# Altium PCB CPU_CARD.pcbdoc (part 4 of 10) (continued)
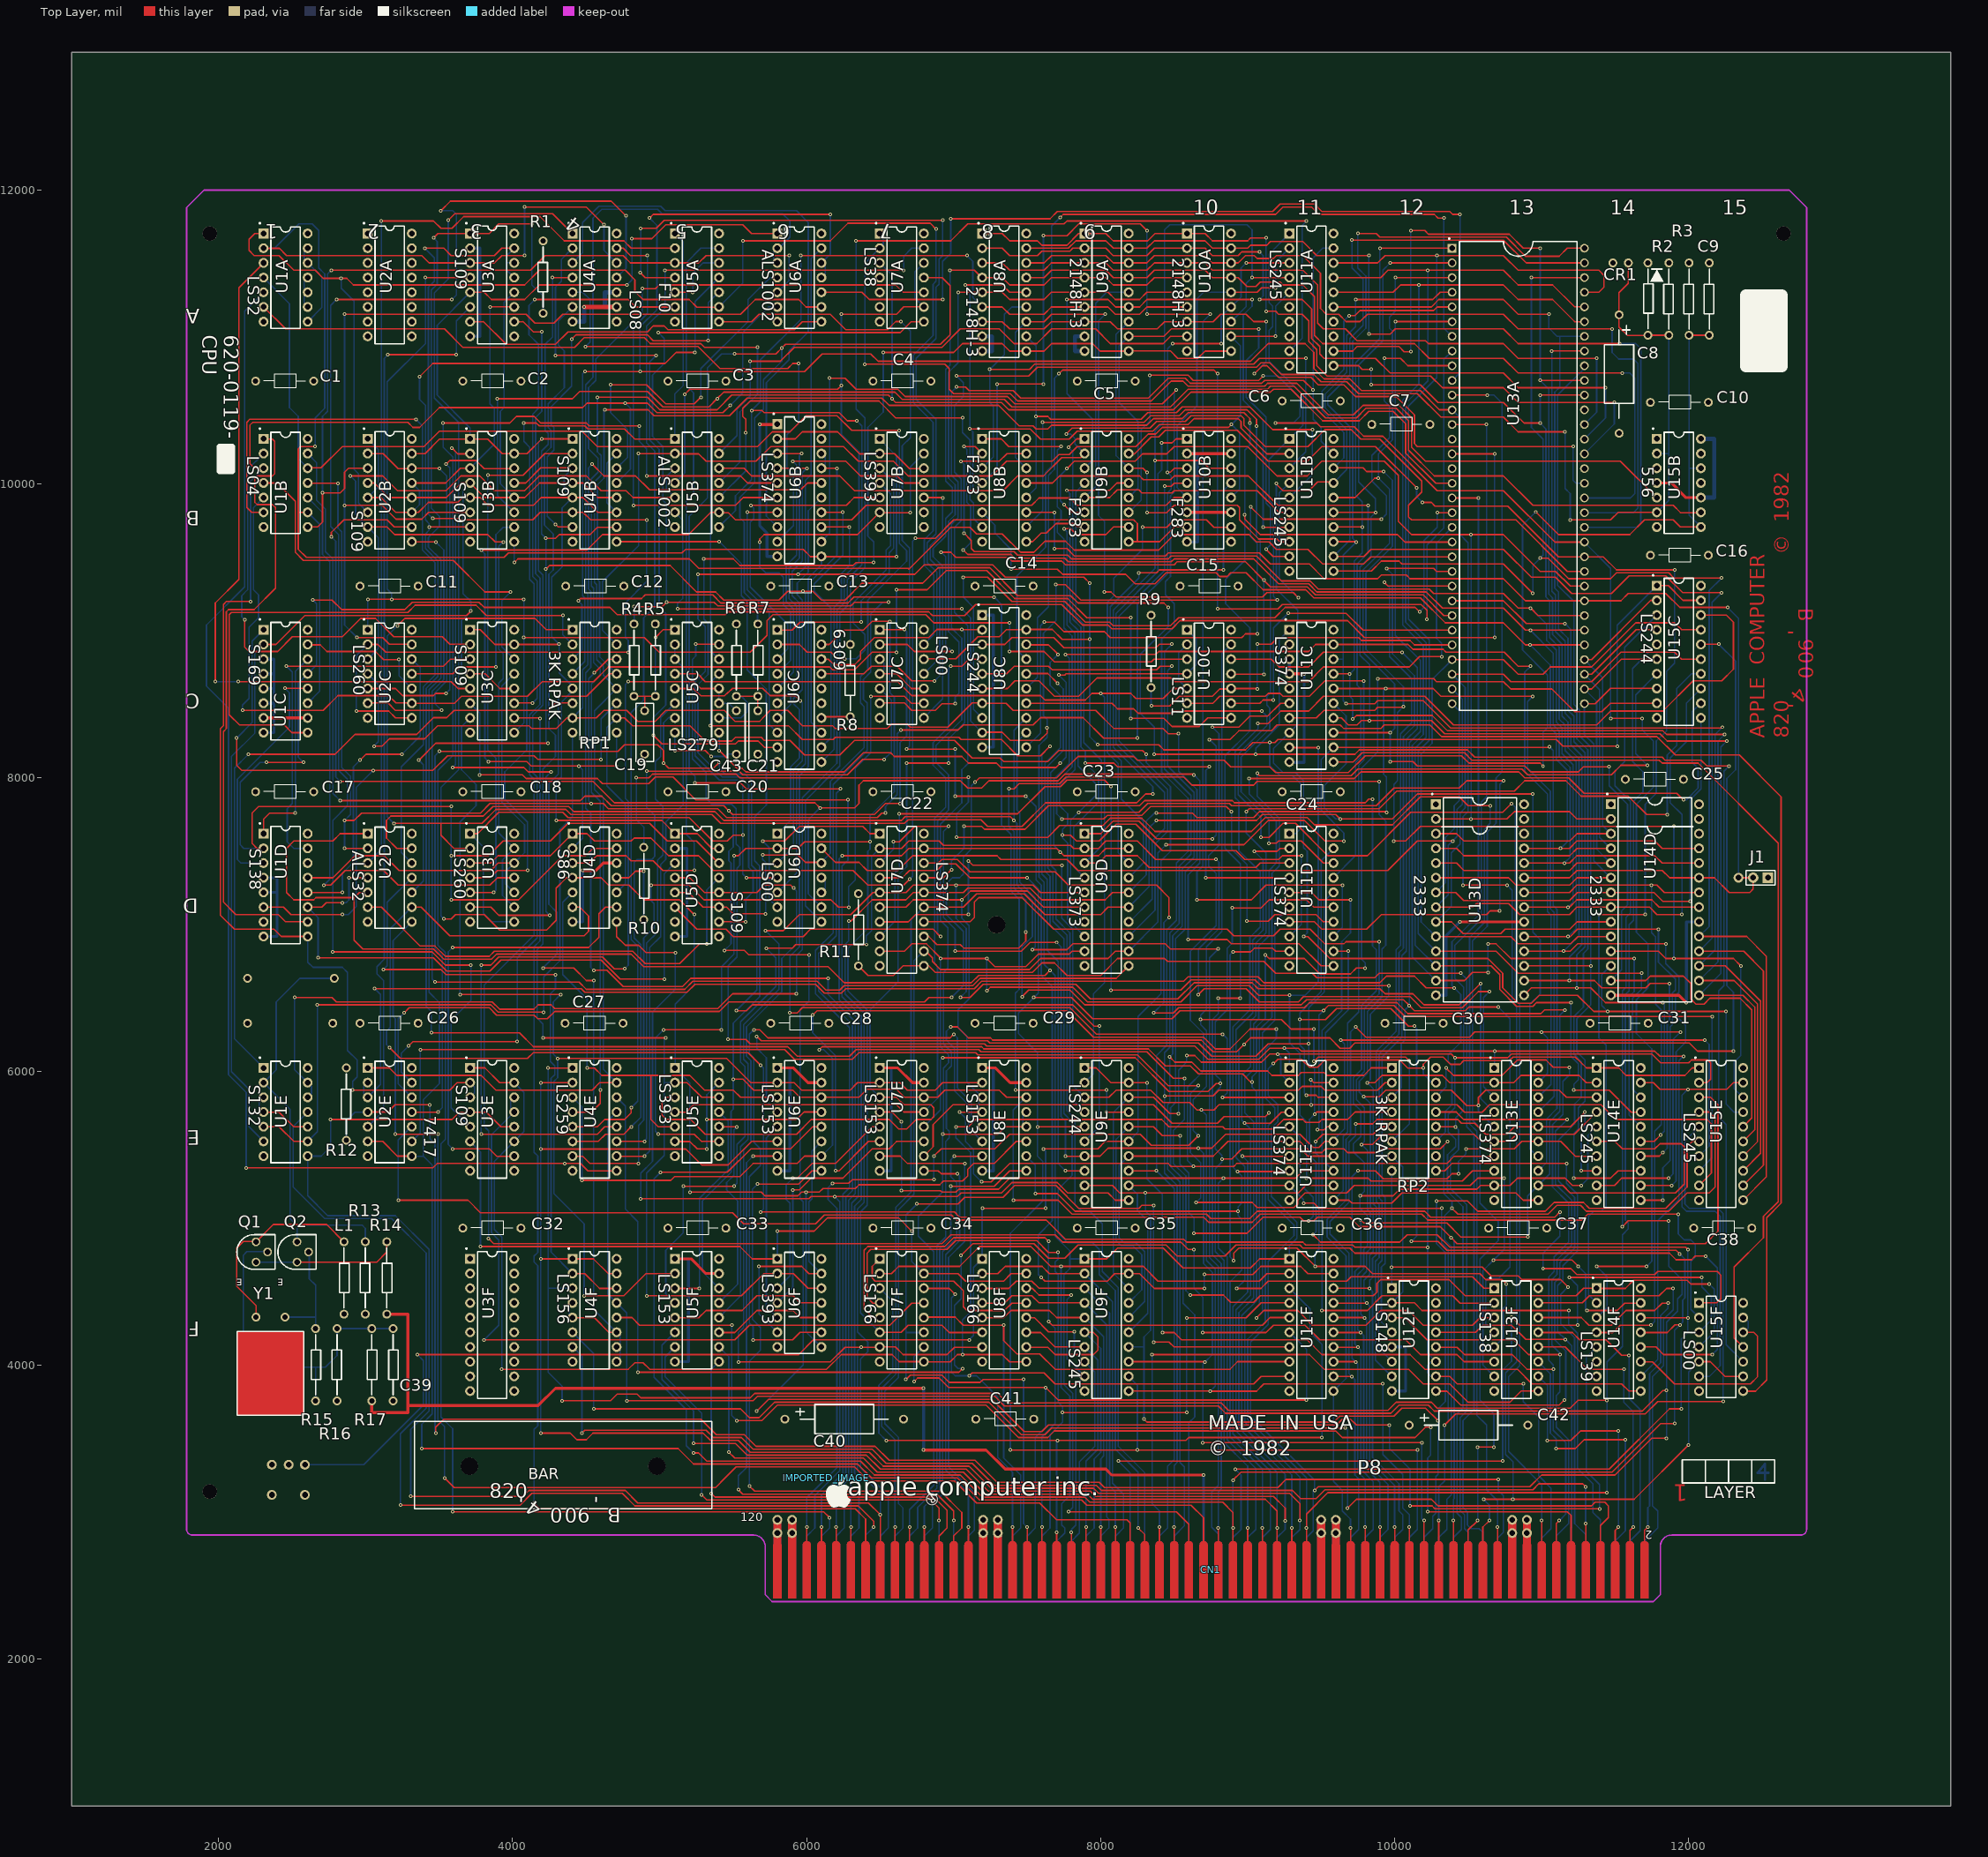
[diagram p0: Top Layer view]
## Footprints (in the part's own frame and the unit in brackets; to place one, negate y for a bottom-side part, rotate by r counter-clockwise, add the part's x,y. Pads: shape width x height; smd on the part's side, far side on the other; paste and mask are expansions set on the pad) (continued)
  Bottom Layer region: 67.36,4.952 67.322,4.953 67.322,4.953 67.284,4.952 67.284,4.952 67.247,4.949 67.247,4.949 67.209,4.944 67.209,4.944 67.172,4.937 67.172,4.937 67.135,4.927 67.135,4.927 67.099,4.916 67.099,4.916 67.063,4.903 67.063,4.903 67.028,4.888 67.028,4.888 66.994,4.871 66.994,4.871 66.962,4.853 66.962,4.853 66.93,4.832 66.93,4.832 66.899,4.81 66.899,4.81 66.869,4.786 66.869,4.786 66.841,4.761 66.841,4.761 66.814,4.734 66.814,4.734 66.789,4.706 66.789,4.706 66.765,4.677 66.765,4.677 66.743,4.646 66.743,4.646 66.722,4.614 66.722,4.614 66.704,4.581 66.704,4.581 66.687,4.547 66.687,4.547 66.672,4.512 66.672,4.512 66.659,4.477 66.659,4.477 66.648,4.44 66.648,4.44 66.639,4.403 66.639,4.403 66.632,4.366 66.632,4.366 66.627,4.329 66.627,4.329 66.623,4.291 66.623,4.291 66.622,4.253 66.622,4.253 66.623,-4.953 66.623,-4.953 68.022,-4.953 68.022,-4.953 68.022,4.253 68.022,4.253 68.021,4.291 68.021,4.291 68.018,4.329 68.018,4.329 68.013,4.366 68.013,4.366 68.006,4.403 68.006,4.403 67.997,4.44 67.997,4.44 67.986,4.477 67.986,4.477 67.973,4.512 67.973,4.512 67.958,4.547 67.958,4.547 67.941,4.581 67.941,4.581 67.922,4.614 67.922,4.614 67.902,4.646 67.902,4.646 67.88,4.677 67.88,4.677 67.856,4.706 67.856,4.706 67.831,4.734 67.831,4.734 67.804,4.761 67.804,4.761 67.775,4.786 67.775,4.786 67.746,4.81 67.746,4.81 67.715,4.832 67.715,4.832 67.683,4.853 67.683,4.853 67.65,4.871 67.65,4.871 67.616,4.888 67.616,4.888 67.582,4.903 67.582,4.903 67.546,4.916 67.546,4.916 67.51,4.927 67.51,4.927 67.473,4.937 67.473,4.937 67.436,4.944 67.436,4.944 67.398,4.949 67.398,4.949
  Bottom Layer region: 6.393,4.952 6.356,4.953 6.356,4.953 6.318,4.952 6.318,4.952 6.28,4.949 6.28,4.949 6.242,4.944 6.242,4.944 6.205,4.937 6.205,4.937 6.168,4.927 6.168,4.927 6.132,4.916 6.132,4.916 6.096,4.903 6.096,4.903 6.062,4.888 6.062,4.888 6.028,4.872 6.028,4.872 5.995,4.853 5.995,4.853 5.963,4.832 5.963,4.832 5.932,4.81 5.932,4.81 5.902,4.787 5.902,4.787 5.874,4.761 5.874,4.761 5.847,4.734 5.847,4.734 5.822,4.706 5.822,4.706 5.798,4.677 5.798,4.677 5.776,4.646 5.776,4.646 5.756,4.614 5.756,4.614 5.737,4.581 5.737,4.581 5.72,4.547 5.72,4.547 5.705,4.512 5.705,4.512 5.692,4.477 5.692,4.477 5.681,4.44 5.681,4.44 5.672,4.404 5.672,4.404 5.665,4.366 5.665,4.366 5.66,4.329 5.66,4.329 5.657,4.291 5.657,4.291 5.656,4.253 5.656,4.253 5.656,-4.953 5.656,-4.953 7.056,-4.953 7.056,-4.953 7.056,4.253 7.056,4.253 7.054,4.291 7.054,4.291 7.051,4.329 7.051,4.329 7.046,4.366 7.046,4.366 7.039,4.404 7.039,4.404 7.03,4.44 7.03,4.44 7.019,4.477 7.019,4.477 7.006,4.512 7.006,4.512 6.991,4.547 6.991,4.547 6.974,4.581 6.974,4.581 6.955,4.614 6.955,4.614 6.935,4.646 6.935,4.646 6.913,4.677 6.913,4.677 6.889,4.706 6.889,4.706 6.864,4.734 6.864,4.734 6.837,4.761 6.837,4.761 6.809,4.787 6.809,4.787 6.779,4.81 6.779,4.81 6.748,4.832 6.748,4.832 6.716,4.853 6.716,4.853 6.683,4.872 6.683,4.872 6.65,4.888 6.65,4.888 6.615,4.903 6.615,4.903 6.579,4.916 6.579,4.916 6.543,4.927 6.543,4.927 6.506,4.937 6.506,4.937 6.469,4.944 6.469,4.944 6.431,4.949 6.431,4.949
  Bottom Layer region: 8.934,4.952 8.896,4.953 8.896,4.953 8.858,4.952 8.858,4.952 8.82,4.949 8.82,4.949 8.783,4.944 8.783,4.944 8.745,4.937 8.745,4.937 8.709,4.927 8.709,4.927 8.672,4.916 8.672,4.916 8.637,4.903 8.637,4.903 8.602,4.888 8.602,4.888 8.568,4.871 8.568,4.871 8.535,4.853 8.535,4.853 8.503,4.832 8.503,4.832 8.472,4.81 8.472,4.81 8.443,4.786 8.443,4.786 8.415,4.761 8.415,4.761 8.388,4.734 8.388,4.734 8.362,4.706 8.362,4.706 8.339,4.677 8.339,4.677 8.316,4.646 8.316,4.646 8.296,4.614 8.296,4.614 8.277,4.581 8.277,4.581 8.261,4.547 8.261,4.547 8.246,4.512 8.246,4.512 8.232,4.477 8.232,4.477 8.221,4.44 8.221,4.44 8.212,4.403 8.212,4.403 8.205,4.366 8.205,4.366 8.2,4.329 8.2,4.329 8.197,4.291 8.197,4.291 8.196,4.253 8.196,4.253 8.196,-4.953 8.196,-4.953 9.596,-4.953 9.596,-4.953 9.596,4.253 9.596,4.253 9.595,4.291 9.595,4.291 9.592,4.329 9.592,4.329 9.587,4.366 9.587,4.366 9.58,4.403 9.58,4.403 9.57,4.44 9.57,4.44 9.559,4.477 9.559,4.477 9.546,4.512 9.546,4.512 9.531,4.547 9.531,4.547 9.514,4.581 9.514,4.581 9.496,4.614 9.496,4.614 9.475,4.646 9.475,4.646 9.453,4.677 9.453,4.677 9.429,4.706 9.429,4.706 9.404,4.734 9.404,4.734 9.377,4.761 9.377,4.761 9.349,4.786 9.349,4.786 9.32,4.81 9.32,4.81 9.289,4.832 9.289,4.832 9.257,4.853 9.257,4.853 9.224,4.871 9.224,4.871 9.19,4.888 9.19,4.888 9.155,4.903 9.155,4.903 9.119,4.916 9.119,4.916 9.083,4.927 9.083,4.927 9.046,4.937 9.046,4.937 9.009,4.944 9.009,4.944 8.972,4.949 8.972,4.949
  Bottom Layer region: 14.014,4.952 13.976,4.953 13.976,4.953 13.939,4.952 13.939,4.952 13.901,4.949 13.901,4.949 13.863,4.944 13.863,4.944 13.826,4.937 13.826,4.937 13.789,4.928 13.789,4.928 13.753,4.916 13.753,4.916 13.717,4.903 13.717,4.903 13.683,4.888 13.683,4.888 13.649,4.872 13.649,4.872 13.616,4.853 13.616,4.853 13.584,4.832 13.584,4.832 13.553,4.81 13.553,4.81 13.523,4.787 13.523,4.787 13.495,4.761 13.495,4.761 13.468,4.734 13.468,4.734 13.443,4.706 13.443,4.706 13.419,4.677 13.419,4.677 13.397,4.646 13.397,4.646 13.377,4.614 13.377,4.614 13.358,4.581 13.358,4.581 13.341,4.547 13.341,4.547 13.326,4.512 13.326,4.512 13.313,4.477 13.313,4.477 13.302,4.44 13.302,4.44 13.293,4.404 13.293,4.404 13.286,4.366 13.286,4.366 13.28,4.329 13.28,4.329 13.277,4.291 13.277,4.291 13.277,4.253 13.277,4.253 13.277,-4.953 13.277,-4.953 14.676,-4.953 14.676,-4.953 14.676,4.253 14.676,4.253 14.675,4.291 14.675,4.291 14.672,4.329 14.672,4.329 14.667,4.366 14.667,4.366 14.66,4.404 14.66,4.404 14.651,4.44 14.651,4.44 14.64,4.477 14.64,4.477 14.627,4.512 14.627,4.512 14.612,4.547 14.612,4.547 14.595,4.581 14.595,4.581 14.576,4.614 14.576,4.614 14.556,4.646 14.556,4.646 14.534,4.677 14.534,4.677 14.51,4.706 14.51,4.706 14.485,4.734 14.485,4.734 14.458,4.761 14.458,4.761 14.43,4.787 14.43,4.787 14.4,4.81 14.4,4.81 14.369,4.832 14.369,4.832 14.337,4.853 14.337,4.853 14.304,4.872 14.304,4.872 14.27,4.888 14.27,4.888 14.236,4.903 14.236,4.903 14.2,4.916 14.2,4.916 14.164,4.928 14.164,4.928 14.127,4.937 14.127,4.937 14.09,4.944 14.09,4.944 14.052,4.949 14.052,4.949
  Bottom Layer region: 11.474,4.952 11.436,4.953 11.436,4.953 11.398,4.952 11.398,4.952 11.36,4.949 11.36,4.949 11.323,4.944 11.323,4.944 11.286,4.937 11.286,4.937 11.249,4.927 11.249,4.927 11.213,4.916 11.213,4.916 11.177,4.903 11.177,4.903 11.142,4.888 11.142,4.888 11.108,4.872 11.108,4.872 11.075,4.853 11.075,4.853 11.043,4.832 11.043,4.832 11.012,4.81 11.012,4.81 10.983,4.787 10.983,4.787 10.955,4.761 10.955,4.761 10.928,4.734 10.928,4.734 10.903,4.706 10.903,4.706 10.879,4.677 10.879,4.677 10.857,4.646 10.857,4.646 10.836,4.614 10.836,4.614 10.818,4.581 10.818,4.581 10.801,4.547 10.801,4.547 10.786,4.512 10.786,4.512 10.773,4.477 10.773,4.477 10.762,4.44 10.762,4.44 10.752,4.404 10.752,4.404 10.745,4.366 10.745,4.366 10.74,4.329 10.74,4.329 10.737,4.291 10.737,4.291 10.736,4.253 10.736,4.253 10.736,-4.953 10.736,-4.953 12.136,-4.953 12.136,-4.953 12.136,4.253 12.136,4.253 12.135,4.291 12.135,4.291 12.132,4.329 12.132,4.329 12.127,4.366 12.127,4.366 12.12,4.404 12.12,4.404 12.111,4.44 12.111,4.44 12.1,4.477 12.1,4.477 12.086,4.512 12.086,4.512 12.071,4.547 12.071,4.547 12.055,4.581 12.055,4.581 12.036,4.614 12.036,4.614 12.016,4.646 12.016,4.646 11.993,4.677 11.993,4.677 11.97,4.706 11.97,4.706 11.944,4.734 11.944,4.734 11.918,4.761 11.918,4.761 11.889,4.787 11.889,4.787 11.86,4.81 11.86,4.81 11.829,4.832 11.829,4.832 11.797,4.853 11.797,4.853 11.764,4.872 11.764,4.872 11.73,4.888 11.73,4.888 11.695,4.903 11.695,4.903 11.66,4.916 11.66,4.916 11.623,4.927 11.623,4.927 11.587,4.937 11.587,4.937 11.549,4.944 11.549,4.944 11.512,4.949 11.512,4.949
  Bottom Layer region: 21.635,4.952 21.597,4.953 21.597,4.953 21.559,4.952 21.559,4.952 21.522,4.949 21.522,4.949 21.484,4.944 21.484,4.944 21.447,4.937 21.447,4.937 21.41,4.928 21.41,4.928 21.374,4.916 21.374,4.916 21.338,4.903 21.338,4.903 21.303,4.888 21.303,4.888 21.269,4.872 21.269,4.872 21.237,4.853 21.237,4.853 21.205,4.833 21.205,4.833 21.174,4.81 21.174,4.81 21.144,4.787 21.144,4.787 21.116,4.761 21.116,4.761 21.089,4.734 21.089,4.734 21.064,4.706 21.064,4.706 21.04,4.677 21.04,4.677 21.018,4.646 21.018,4.646 20.998,4.614 20.998,4.614 20.979,4.581 20.979,4.581 20.962,4.547 20.962,4.547 20.947,4.512 20.947,4.512 20.934,4.477 20.934,4.477 20.923,4.44 20.923,4.44 20.914,4.404 20.914,4.404 20.907,4.366 20.907,4.366 20.901,4.329 20.901,4.329 20.898,4.291 20.898,4.291 20.897,4.253 20.897,4.253 20.897,-4.953 20.897,-4.953 22.297,-4.953 22.297,-4.953 22.297,4.253 22.297,4.253 22.296,4.291 22.296,4.291 22.293,4.329 22.293,4.329 22.288,4.366 22.288,4.366 22.281,4.404 22.281,4.404 22.272,4.44 22.272,4.44 22.261,4.477 22.261,4.477 22.248,4.512 22.248,4.512 22.233,4.547 22.233,4.547 22.216,4.581 22.216,4.581 22.197,4.614 22.197,4.614 22.177,4.646 22.177,4.646 22.154,4.677 22.154,4.677 22.131,4.706 22.131,4.706 22.105,4.734 22.105,4.734 22.079,4.761 22.079,4.761 22.05,4.787 22.05,4.787 22.021,4.81 22.021,4.81 21.99,4.833 21.99,4.833 21.958,4.853 21.958,4.853 21.925,4.872 21.925,4.872 21.891,4.888 21.891,4.888 21.857,4.903 21.857,4.903 21.821,4.916 21.821,4.916 21.785,4.928 21.785,4.928 21.748,4.937 21.748,4.937 21.711,4.944 21.711,4.944 21.673,4.949 21.673,4.949
  Bottom Layer region: 24.176,4.952 24.138,4.953 24.138,4.953 24.1,4.952 24.1,4.952 24.062,4.949 24.062,4.949 24.025,4.944 24.025,4.944 23.987,4.937 23.987,4.937 23.95,4.927 23.95,4.927 23.914,4.916 23.914,4.916 23.879,4.903 23.879,4.903 23.844,4.888 23.844,4.888 23.81,4.871 23.81,4.871 23.777,4.853 23.777,4.853 23.745,4.832 23.745,4.832 23.714,4.81 23.714,4.81 23.684,4.786 23.684,4.786 23.656,4.761 23.656,4.761 23.629,4.734 23.629,4.734 23.604,4.706 23.604,4.706 23.58,4.677 23.58,4.677 23.558,4.646 23.558,4.646 23.538,4.614 23.538,4.614 23.519,4.581 23.519,4.581 23.502,4.547 23.502,4.547 23.487,4.512 23.487,4.512 23.474,4.477 23.474,4.477 23.463,4.44 23.463,4.44 23.454,4.403 23.454,4.403 23.447,4.366 23.447,4.366 23.442,4.329 23.442,4.329 23.439,4.291 23.439,4.291 23.438,4.253 23.438,4.253 23.438,-4.953 23.438,-4.953 24.838,-4.953 24.838,-4.953 24.838,4.253 24.838,4.253 24.837,4.291 24.837,4.291 24.834,4.329 24.834,4.329 24.829,4.366 24.829,4.366 24.821,4.403 24.821,4.403 24.812,4.44 24.812,4.44 24.801,4.477 24.801,4.477 24.788,4.512 24.788,4.512 24.773,4.547 24.773,4.547 24.756,4.581 24.756,4.581 24.737,4.614 24.737,4.614 24.717,4.646 24.717,4.646 24.695,4.677 24.695,4.677 24.671,4.706 24.671,4.706 24.646,4.734 24.646,4.734 24.619,4.761 24.619,4.761 24.591,4.786 24.591,4.786 24.561,4.81 24.561,4.81 24.531,4.832 24.531,4.832 24.499,4.853 24.499,4.853 24.466,4.871 24.466,4.871 24.432,4.888 24.432,4.888 24.397,4.903 24.397,4.903 24.361,4.916 24.361,4.916 24.325,4.927 24.325,4.927 24.288,4.937 24.288,4.937 24.251,4.944 24.251,4.944 24.213,4.949 24.213,4.949
  Bottom Layer region: 19.095,4.952 19.057,4.953 19.057,4.953 19.019,4.952 19.019,4.952 18.981,4.949 18.981,4.949 18.944,4.944 18.944,4.944 18.907,4.937 18.907,4.937 18.87,4.927 18.87,4.927 18.834,4.916 18.834,4.916 18.798,4.903 18.798,4.903 18.763,4.888 18.763,4.888 18.729,4.871 18.729,4.871 18.696,4.853 18.696,4.853 18.664,4.832 18.664,4.832 18.634,4.81 18.634,4.81 18.604,4.786 18.604,4.786 18.576,4.761 18.576,4.761 18.549,4.734 18.549,4.734 18.524,4.706 18.524,4.706 18.5,4.677 18.5,4.677 18.478,4.646 18.478,4.646 18.457,4.614 18.457,4.614 18.439,4.581 18.439,4.581 18.422,4.547 18.422,4.547 18.407,4.512 18.407,4.512 18.394,4.477 18.394,4.477 18.383,4.44 18.383,4.44 18.373,4.403 18.373,4.403 18.366,4.366 18.366,4.366 18.361,4.329 18.361,4.329 18.358,4.291 18.358,4.291 18.357,4.253 18.357,4.253 18.357,-4.953 18.357,-4.953 19.757,-4.953 19.757,-4.953 19.757,4.253 19.757,4.253 19.756,4.291 19.756,4.291 19.753,4.329 19.753,4.329 19.748,4.366 19.748,4.366 19.741,4.403 19.741,4.403 19.732,4.44 19.732,4.44 19.721,4.477 19.721,4.477 19.707,4.512 19.707,4.512 19.692,4.547 19.692,4.547 19.675,4.581 19.675,4.581 19.657,4.614 19.657,4.614 19.637,4.646 19.637,4.646 19.614,4.677 19.614,4.677 19.591,4.706 19.591,4.706 19.565,4.734 19.565,4.734 19.539,4.761 19.539,4.761 19.51,4.786 19.51,4.786 19.481,4.81 19.481,4.81 19.45,4.832 19.45,4.832 19.418,4.853 19.418,4.853 19.385,4.871 19.385,4.871 19.351,4.888 19.351,4.888 19.316,4.903 19.316,4.903 19.281,4.916 19.281,4.916 19.244,4.927 19.244,4.927 19.207,4.937 19.207,4.937 19.17,4.944 19.17,4.944 19.133,4.949 19.133,4.949
  Bottom Layer region: 16.555,4.952 16.517,4.953 16.517,4.953 16.479,4.952 16.479,4.952 16.441,4.949 16.441,4.949 16.404,4.944 16.404,4.944 16.366,4.937 16.366,4.937 16.329,4.928 16.329,4.928 16.293,4.916 16.293,4.916 16.258,4.903 16.258,4.903 16.223,4.888 16.223,4.888 16.189,4.871 16.189,4.871 16.156,4.853 16.156,4.853 16.124,4.832 16.124,4.832 16.093,4.81 16.093,4.81 16.064,4.786 16.064,4.786 16.035,4.761 16.035,4.761 16.009,4.734 16.009,4.734 15.983,4.706 15.983,4.706 15.96,4.677 15.96,4.677 15.937,4.646 15.937,4.646 15.917,4.614 15.917,4.614 15.898,4.581 15.898,4.581 15.882,4.547 15.882,4.547 15.867,4.512 15.867,4.512 15.853,4.477 15.853,4.477 15.842,4.44 15.842,4.44 15.833,4.403 15.833,4.403 15.826,4.366 15.826,4.366 15.821,4.329 15.821,4.329 15.818,4.291 15.818,4.291 15.817,4.253 15.817,4.253 15.817,-4.953 15.817,-4.953 17.217,-4.953 17.217,-4.953 17.217,4.253 17.217,4.253 17.216,4.291 17.216,4.291 17.213,4.329 17.213,4.329 17.208,4.366 17.208,4.366 17.201,4.403 17.201,4.403 17.191,4.44 17.191,4.44 17.18,4.477 17.18,4.477 17.167,4.512 17.167,4.512 17.152,4.547 17.152,4.547 17.135,4.581 17.135,4.581 17.117,4.614 17.117,4.614 17.096,4.646 17.096,4.646 17.074,4.677 17.074,4.677 17.05,4.706 17.05,4.706 17.025,4.734 17.025,4.734 16.998,4.761 16.998,4.761 16.97,4.786 16.97,4.786 16.941,4.81 16.941,4.81 16.91,4.832 16.91,4.832 16.878,4.853 16.878,4.853 16.845,4.871 16.845,4.871 16.811,4.888 16.811,4.888 16.776,4.903 16.776,4.903 16.74,4.916 16.74,4.916 16.704,4.928 16.704,4.928 16.667,4.937 16.667,4.937 16.63,4.944 16.63,4.944 16.593,4.949 16.593,4.949
  Bottom Layer region: 36.877,4.952 36.839,4.953 36.839,4.953 36.801,4.952 36.801,4.952 36.763,4.949 36.763,4.949 36.726,4.944 36.726,4.944 36.689,4.937 36.689,4.937 36.652,4.927 36.652,4.927 36.616,4.916 36.616,4.916 36.58,4.903 36.58,4.903 36.545,4.888 36.545,4.888 36.511,4.871 36.511,4.871 36.478,4.853 36.478,4.853 36.446,4.833 36.446,4.833 36.415,4.81 36.415,4.81 36.386,4.786 36.386,4.786 36.358,4.761 36.358,4.761 36.331,4.734 36.331,4.734 36.306,4.706 36.306,4.706 36.282,4.677 36.282,4.677 36.26,4.646 36.26,4.646 36.239,4.614 36.239,4.614 36.221,4.581 36.221,4.581 36.204,4.547 36.204,4.547 36.189,4.512 36.189,4.512 36.176,4.477 36.176,4.477 36.165,4.44 36.165,4.44 36.156,4.403 36.156,4.403 36.148,4.366 36.148,4.366 36.143,4.329 36.143,4.329 36.14,4.291 36.14,4.291 36.139,4.253 36.139,4.253 36.139,-4.953 36.139,-4.953 37.539,-4.953 37.539,-4.953 37.539,4.253 37.539,4.253 37.538,4.291 37.538,4.291 37.535,4.329 37.535,4.329 37.53,4.366 37.53,4.366 37.523,4.403 37.523,4.403 37.514,4.44 37.514,4.44 37.502,4.477 37.502,4.477 37.489,4.512 37.489,4.512 37.474,4.547 37.474,4.547 37.457,4.581 37.457,4.581 37.439,4.614 37.439,4.614 37.419,4.646 37.419,4.646 37.396,4.677 37.396,4.677 37.373,4.706 37.373,4.706 37.347,4.734 37.347,4.734 37.321,4.761 37.321,4.761 37.292,4.786 37.292,4.786 37.263,4.81 37.263,4.81 37.232,4.833 37.232,4.833 37.2,4.853 37.2,4.853 37.167,4.871 37.167,4.871 37.133,4.888 37.133,4.888 37.098,4.903 37.098,4.903 37.063,4.916 37.063,4.916 37.026,4.927 37.026,4.927 36.99,4.937 36.99,4.937 36.952,4.944 36.952,4.944 36.915,4.949 36.915,4.949
  Bottom Layer region: 39.417,4.952 39.379,4.953 39.379,4.953 39.342,4.952 39.342,4.952 39.304,4.949 39.304,4.949 39.266,4.944 39.266,4.944 39.229,4.937 39.229,4.937 39.192,4.927 39.192,4.927 39.156,4.916 39.156,4.916 39.12,4.903 39.12,4.903 39.085,4.888 39.085,4.888 39.051,4.871 39.051,4.871 39.019,4.853 39.019,4.853 38.987,4.832 38.987,4.832 38.956,4.81 38.956,4.81 38.926,4.786 38.926,4.786 38.898,4.761 38.898,4.761 38.871,4.734 38.871,4.734 38.846,4.706 38.846,4.706 38.822,4.677 38.822,4.677 38.8,4.646 38.8,4.646 38.779,4.614 38.779,4.614 38.761,4.581 38.761,4.581 38.744,4.547 38.744,4.547 38.729,4.512 38.729,4.512 38.716,4.477 38.716,4.477 38.705,4.44 38.705,4.44 38.696,4.403 38.696,4.403 38.689,4.366 38.689,4.366 38.683,4.329 38.683,4.329 38.68,4.291 38.68,4.291 38.679,4.253 38.679,4.253 38.679,-4.953 38.679,-4.953 40.079,-4.953 40.079,-4.953 40.079,4.253 40.079,4.253 40.078,4.291 40.078,4.291 40.075,4.329 40.075,4.329 40.07,4.366 40.07,4.366 40.063,4.403 40.063,4.403 40.054,4.44 40.054,4.44 40.043,4.477 40.043,4.477 40.03,4.512 40.03,4.512 40.015,4.547 40.015,4.547 39.998,4.581 39.998,4.581 39.979,4.614 39.979,4.614 39.959,4.646 39.959,4.646 39.936,4.677 39.936,4.677 39.913,4.706 39.913,4.706 39.887,4.734 39.887,4.734 39.861,4.761 39.861,4.761 39.833,4.786 39.833,4.786 39.803,4.81 39.803,4.81 39.772,4.832 39.772,4.832 39.74,4.853 39.74,4.853 39.707,4.871 39.707,4.871 39.673,4.888 39.673,4.888 39.639,4.903 39.639,4.903 39.603,4.916 39.603,4.916 39.567,4.927 39.567,4.927 39.53,4.937 39.53,4.937 39.493,4.944 39.493,4.944 39.455,4.949 39.455,4.949
  Bottom Layer region: 44.498,4.952 44.46,4.953 44.46,4.953 44.422,4.952 44.422,4.952 44.384,4.949 44.384,4.949 44.347,4.944 44.347,4.944 44.309,4.937 44.309,4.937 44.273,4.927 44.273,4.927 44.236,4.916 44.236,4.916 44.201,4.903 44.201,4.903 44.166,4.888 44.166,4.888 44.132,4.871 44.132,4.871 44.099,4.853 44.099,4.853 44.067,4.832 44.067,4.832 44.036,4.81 44.036,4.81 44.007,4.786 44.007,4.786 43.979,4.761 43.979,4.761 43.952,4.734 43.952,4.734 43.926,4.706 43.926,4.706 43.903,4.677 43.903,4.677 43.881,4.646 43.881,4.646 43.86,4.614 43.86,4.614 43.841,4.581 43.841,4.581 43.825,4.547 43.825,4.547 43.81,4.512 43.81,4.512 43.797,4.477 43.797,4.477 43.785,4.44 43.785,4.44 43.776,4.403 43.776,4.403 43.769,4.366 43.769,4.366 43.764,4.329 43.764,4.329 43.761,4.291 43.761,4.291 43.76,4.253 43.76,4.253 43.76,-4.953 43.76,-4.953 45.16,-4.953 45.16,-4.953 45.16,4.253 45.16,4.253 45.159,4.291 45.159,4.291 45.156,4.329 45.156,4.329 45.151,4.366 45.151,4.366 45.144,4.403 45.144,4.403 45.135,4.44 45.135,4.44 45.123,4.477 45.123,4.477 45.11,4.512 45.11,4.512 45.095,4.547 45.095,4.547 45.078,4.581 45.078,4.581 45.06,4.614 45.06,4.614 45.039,4.646 45.039,4.646 45.017,4.677 45.017,4.677 44.994,4.706 44.994,4.706 44.968,4.734 44.968,4.734 44.941,4.761 44.941,4.761 44.913,4.786 44.913,4.786 44.884,4.81 44.884,4.81 44.853,4.832 44.853,4.832 44.821,4.853 44.821,4.853 44.788,4.871 44.788,4.871 44.754,4.888 44.754,4.888 44.719,4.903 44.719,4.903 44.684,4.916 44.684,4.916 44.647,4.927 44.647,4.927 44.61,4.937 44.61,4.937 44.573,4.944 44.573,4.944 44.535,4.949 44.535,4.949
  Bottom Layer region: 41.957,4.952 41.92,4.953 41.92,4.953 41.882,4.952 41.882,4.952 41.844,4.949 41.844,4.949 41.806,4.944 41.806,4.944 41.769,4.937 41.769,4.937 41.732,4.927 41.732,4.927 41.696,4.917 41.696,4.917 41.66,4.903 41.66,4.903 41.626,4.888 41.626,4.888 41.592,4.872 41.592,4.872 41.559,4.853 41.559,4.853 41.527,4.832 41.527,4.832 41.496,4.81 41.496,4.81 41.466,4.787 41.466,4.787 41.438,4.761 41.438,4.761 41.411,4.734 41.411,4.734 41.386,4.706 41.386,4.706 41.362,4.677 41.362,4.677 41.34,4.646 41.34,4.646 41.32,4.614 41.32,4.614 41.301,4.581 41.301,4.581 41.284,4.547 41.284,4.547 41.269,4.512 41.269,4.512 41.256,4.477 41.256,4.477 41.245,4.44 41.245,4.44 41.236,4.404 41.236,4.404 41.229,4.366 41.229,4.366 41.224,4.329 41.224,4.329 41.22,4.291 41.22,4.291 41.22,4.253 41.22,4.253 41.22,-4.953 41.22,-4.953 42.62,-4.953 42.62,-4.953 42.62,4.253 42.62,4.253 42.619,4.291 42.619,4.291 42.615,4.329 42.615,4.329 42.61,4.366 42.61,4.366 42.603,4.404 42.603,4.404 42.594,4.44 42.594,4.44 42.583,4.477 42.583,4.477 42.57,4.512 42.57,4.512 42.555,4.547 42.555,4.547 42.538,4.581 42.538,4.581 42.519,4.614 42.519,4.614 42.499,4.646 42.499,4.646 42.477,4.677 42.477,4.677 42.453,4.706 42.453,4.706 42.428,4.734 42.428,4.734 42.401,4.761 42.401,4.761 42.373,4.787 42.373,4.787 42.343,4.81 42.343,4.81 42.313,4.832 42.313,4.832 42.281,4.853 42.281,4.853 42.247,4.872 42.247,4.872 42.214,4.888 42.214,4.888 42.179,4.903 42.179,4.903 42.143,4.917 42.143,4.917 42.107,4.927 42.107,4.927 42.07,4.937 42.07,4.937 42.033,4.944 42.033,4.944 41.995,4.949 41.995,4.949
  Bottom Layer region: 31.796,4.952 31.758,4.953 31.758,4.953 31.72,4.952 31.72,4.952 31.682,4.949 31.682,4.949 31.645,4.944 31.645,4.944 31.608,4.937 31.608,4.937 31.571,4.928 31.571,4.928 31.535,4.916 31.535,4.916 31.499,4.904 31.499,4.904 31.464,4.888 31.464,4.888 31.43,4.872 31.43,4.872 31.397,4.853 31.397,4.853 31.366,4.833 31.366,4.833 31.335,4.81 31.335,4.81 31.305,4.787 31.305,4.787 31.277,4.761 31.277,4.761 31.25,4.734 31.25,4.734 31.225,4.706 31.225,4.706 31.201,4.677 31.201,4.677 31.179,4.646 31.179,4.646 31.158,4.614 31.158,4.614 31.14,4.581 31.14,4.581 31.123,4.547 31.123,4.547 31.108,4.512 31.108,4.512 31.095,4.477 31.095,4.477 31.084,4.44 31.084,4.44 31.075,4.404 31.075,4.404 31.068,4.366 31.068,4.366 31.062,4.329 31.062,4.329 31.059,4.291 31.059,4.291 31.058,4.253 31.058,4.253 31.058,-4.953 31.058,-4.953 32.458,-4.953 32.458,-4.953 32.458,4.253 32.458,4.253 32.457,4.291 32.457,4.291 32.454,4.329 32.454,4.329 32.449,4.366 32.449,4.366 32.442,4.404 32.442,4.404 32.433,4.44 32.433,4.44 32.422,4.477 32.422,4.477 32.409,4.512 32.409,4.512 32.394,4.547 32.394,4.547 32.377,4.581 32.377,4.581 32.358,4.614 32.358,4.614 32.338,4.646 32.338,4.646 32.316,4.677 32.316,4.677 32.292,4.706 32.292,4.706 32.267,4.734 32.267,4.734 32.24,4.761 32.24,4.761 32.211,4.787 32.211,4.787 32.182,4.81 32.182,4.81 32.151,4.833 32.151,4.833 32.119,4.853 32.119,4.853 32.086,4.872 32.086,4.872 32.052,4.888 32.052,4.888 32.017,4.904 32.017,4.904 31.982,4.916 31.982,4.916 31.946,4.928 31.946,4.928 31.909,4.937 31.909,4.937 31.872,4.944 31.872,4.944 31.834,4.949 31.834,4.949
  Bottom Layer region: 34.337,4.952 34.299,4.953 34.299,4.953 34.261,4.952 34.261,4.952 34.223,4.949 34.223,4.949 34.185,4.944 34.185,4.944 34.148,4.937 34.148,4.937 34.111,4.927 34.111,4.927 34.075,4.916 34.075,4.916 34.04,4.903 34.04,4.903 34.005,4.888 34.005,4.888 33.971,4.871 33.971,4.871 33.938,4.853 33.938,4.853 33.906,4.832 33.906,4.832 33.875,4.81 33.875,4.81 33.846,4.786 33.846,4.786 33.817,4.761 33.817,4.761 33.79,4.734 33.79,4.734 33.765,4.706 33.765,4.706 33.741,4.677 33.741,4.677 33.719,4.646 33.719,4.646 33.699,4.614 33.699,4.614 33.68,4.581 33.68,4.581 33.663,4.547 33.663,4.547 33.648,4.512 33.648,4.512 33.635,4.477 33.635,4.477 33.624,4.44 33.624,4.44 33.615,4.403 33.615,4.403 33.608,4.366 33.608,4.366 33.603,4.329 33.603,4.329 33.6,4.291 33.6,4.291 33.599,4.253 33.599,4.253 33.599,-4.953 33.599,-4.953 34.999,-4.953 34.999,-4.953 34.999,4.253 34.999,4.253 34.998,4.291 34.998,4.291 34.995,4.329 34.995,4.329 34.989,4.366 34.989,4.366 34.982,4.403 34.982,4.403 34.973,4.44 34.973,4.44 34.962,4.477 34.962,4.477 34.949,4.512 34.949,4.512 34.934,4.547 34.934,4.547 34.917,4.581 34.917,4.581 34.898,4.614 34.898,4.614 34.878,4.646 34.878,4.646 34.856,4.677 34.856,4.677 34.832,4.706 34.832,4.706 34.807,4.734 34.807,4.734 34.78,4.761 34.78,4.761 34.752,4.786 34.752,4.786 34.722,4.81 34.722,4.81 34.692,4.832 34.692,4.832 34.66,4.853 34.66,4.853 34.626,4.871 34.626,4.871 34.593,4.888 34.593,4.888 34.558,4.903 34.558,4.903 34.522,4.916 34.522,4.916 34.486,4.927 34.486,4.927 34.449,4.937 34.449,4.937 34.412,4.944 34.412,4.944 34.374,4.949 34.374,4.949
  Bottom Layer region: 29.256,4.952 29.218,4.953 29.218,4.953 29.18,4.952 29.18,4.952 29.142,4.949 29.142,4.949 29.105,4.944 29.105,4.944 29.068,4.937 29.068,4.937 29.031,4.928 29.031,4.928 28.995,4.916 28.995,4.916 28.959,4.903 28.959,4.903 28.924,4.888 28.924,4.888 28.89,4.872 28.89,4.872 28.857,4.853 28.857,4.853 28.826,4.833 28.826,4.833 28.795,4.81 28.795,4.81 28.765,4.787 28.765,4.787 28.737,4.761 28.737,4.761 28.71,4.734 28.71,4.734 28.685,4.706 28.685,4.706 28.661,4.677 28.661,4.677 28.639,4.646 28.639,4.646 28.618,4.614 28.618,4.614 28.6,4.581 28.6,4.581 28.583,4.547 28.583,4.547 28.568,4.512 28.568,4.512 28.555,4.477 28.555,4.477 28.544,4.44 28.544,4.44 28.535,4.404 28.535,4.404 28.528,4.366 28.528,4.366 28.522,4.329 28.522,4.329 28.519,4.291 28.519,4.291 28.518,4.253 28.518,4.253 28.518,-4.953 28.518,-4.953 29.918,-4.953 29.918,-4.953 29.918,4.253 29.918,4.253 29.917,4.291 29.917,4.291 29.914,4.329 29.914,4.329 29.909,4.366 29.909,4.366 29.902,4.404 29.902,4.404 29.893,4.44 29.893,4.44 29.881,4.477 29.881,4.477 29.868,4.512 29.868,4.512 29.854,4.547 29.854,4.547 29.836,4.581 29.836,4.581 29.818,4.614 29.818,4.614 29.798,4.646 29.798,4.646 29.775,4.677 29.775,4.677 29.752,4.706 29.752,4.706 29.726,4.734 29.726,4.734 29.7,4.761 29.7,4.761 29.671,4.787 29.671,4.787 29.642,4.81 29.642,4.81 29.611,4.833 29.611,4.833 29.579,4.853 29.579,4.853 29.546,4.872 29.546,4.872 29.512,4.888 29.512,4.888 29.477,4.903 29.477,4.903 29.442,4.916 29.442,4.916 29.405,4.928 29.405,4.928 29.369,4.937 29.369,4.937 29.331,4.944 29.331,4.944 29.294,4.949 29.294,4.949
  Bottom Layer region: 26.716,4.952 26.678,4.953 26.678,4.953 26.64,4.952 26.64,4.952 26.602,4.949 26.602,4.949 26.565,4.944 26.565,4.944 26.528,4.937 26.528,4.937 26.491,4.928 26.491,4.928 26.455,4.916 26.455,4.916 26.419,4.903 26.419,4.903 26.384,4.888 26.384,4.888 26.35,4.871 26.35,4.871 26.317,4.853 26.317,4.853 26.285,4.833 26.285,4.833 26.254,4.81 26.254,4.81 26.225,4.786 26.225,4.786 26.197,4.761 26.197,4.761 26.17,4.734 26.17,4.734 26.144,4.706 26.144,4.706 26.121,4.677 26.121,4.677 26.099,4.646 26.099,4.646 26.078,4.614 26.078,4.614 26.06,4.581 26.06,4.581 26.043,4.547 26.043,4.547 26.028,4.512 26.028,4.512 26.015,4.477 26.015,4.477 26.004,4.44 26.004,4.44 25.994,4.403 25.994,4.403 25.987,4.366 25.987,4.366 25.982,4.329 25.982,4.329 25.979,4.291 25.979,4.291 25.978,4.253 25.978,4.253 25.978,-4.953 25.978,-4.953 27.378,-4.953 27.378,-4.953 27.378,4.253 27.378,4.253 27.377,4.291 27.377,4.291 27.374,4.329 27.374,4.329 27.369,4.366 27.369,4.366 27.362,4.403 27.362,4.403 27.352,4.44 27.352,4.44 27.341,4.477 27.341,4.477 27.328,4.512 27.328,4.512 27.313,4.547 27.313,4.547 27.296,4.581 27.296,4.581 27.278,4.614 27.278,4.614 27.257,4.646 27.257,4.646 27.235,4.677 27.235,4.677 27.212,4.706 27.212,4.706 27.186,4.734 27.186,4.734 27.159,4.761 27.159,4.761 27.131,4.786 27.131,4.786 27.102,4.81 27.102,4.81 27.071,4.833 27.071,4.833 27.039,4.853 27.039,4.853 27.006,4.871 27.006,4.871 26.972,4.888 26.972,4.888 26.937,4.903 26.937,4.903 26.902,4.916 26.902,4.916 26.865,4.928 26.865,4.928 26.828,4.937 26.828,4.937 26.791,4.944 26.791,4.944 26.754,4.949 26.754,4.949